# Altium PCB 28Pins_Project_V1I1_PCB.PcbDoc (continued)
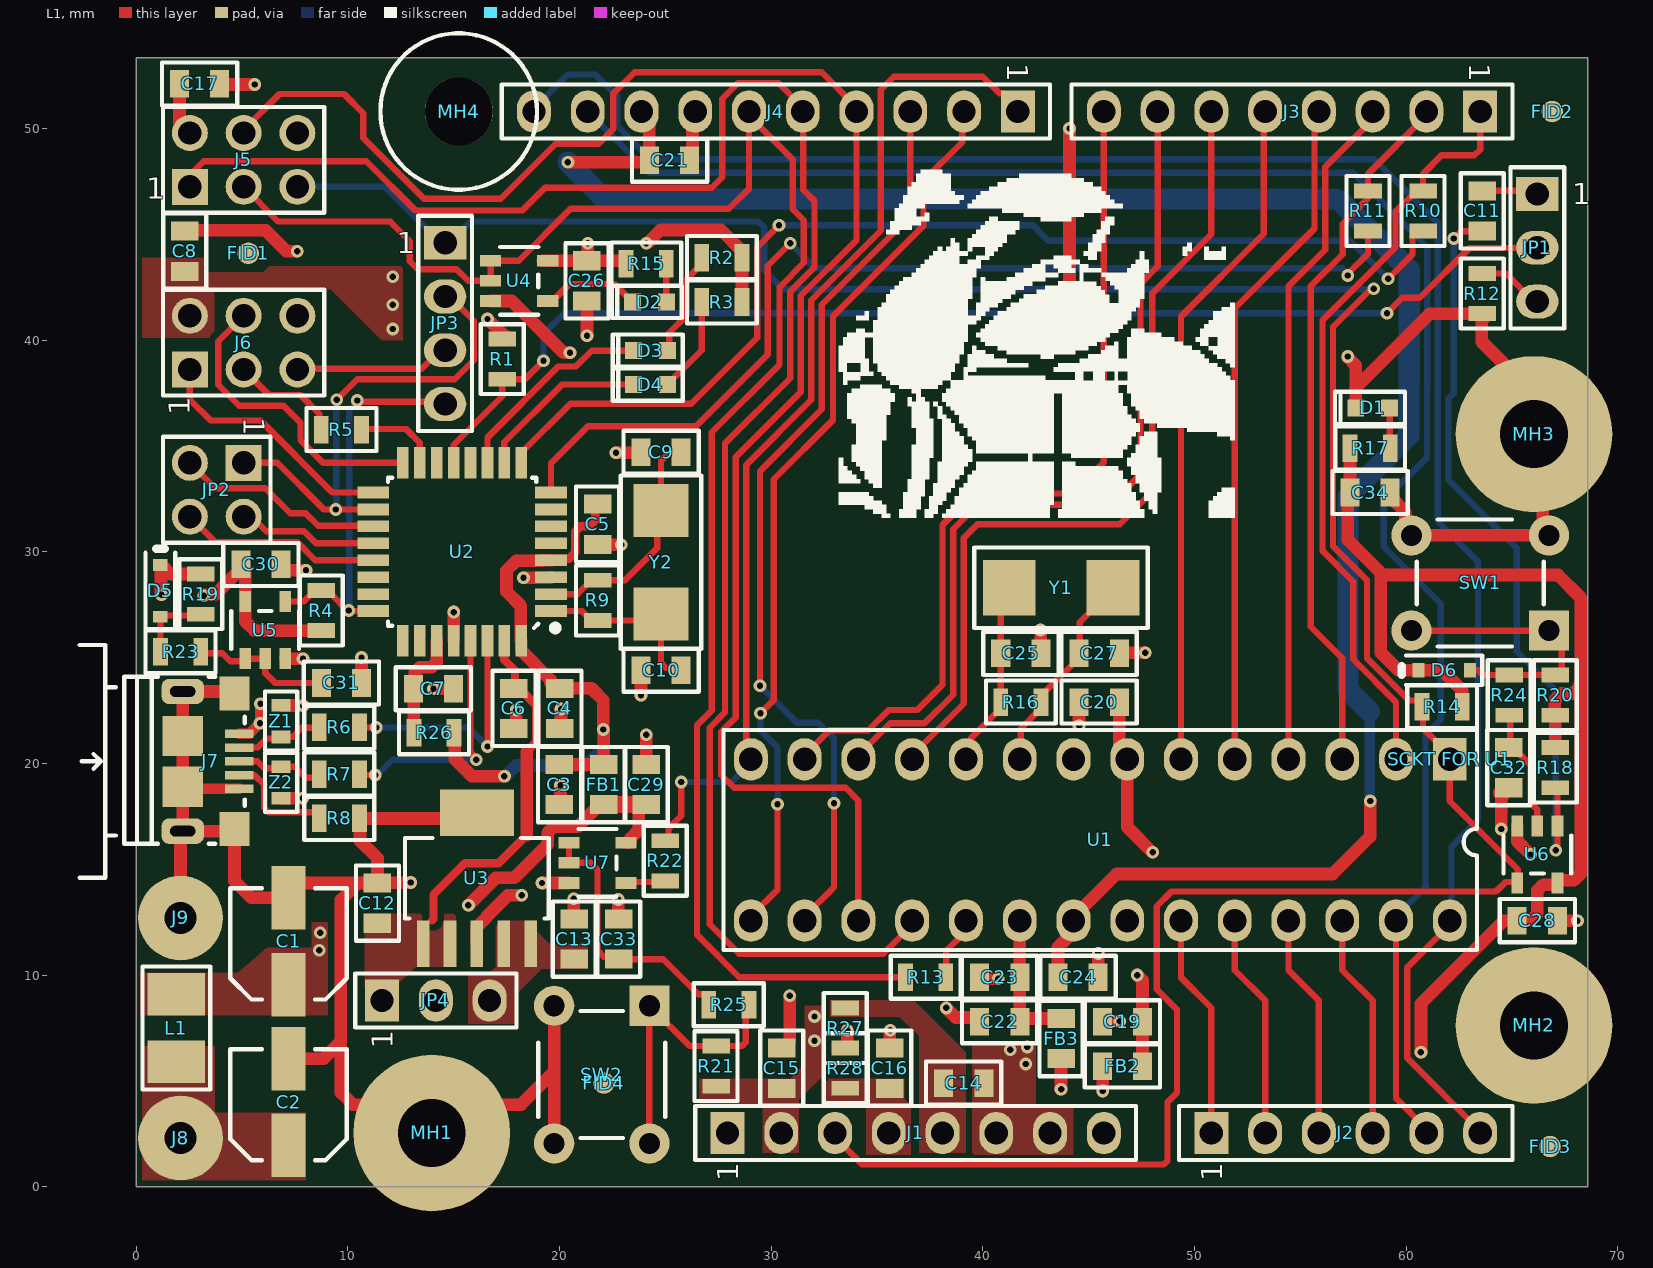
[diagram p0: L1 view]
## Part data (continued)
U2: "IC MCU 8BIT 16KB FLASH 32TQFP", Case/Package=LQFP, Frequency=16MHz, Manufacturer="Microchip / Atmel", Max Operating Temperature=85°C, Max Supply Voltage=5.5V, Min Operating Temperature=-40°C, Min Supply Voltage=2.7V, Package Quantity=2000, Supplier Part Number 1=ATMEGA16U2-AURCT-ND, ComponentLink1Description=https://datasheet.ciiva.com/9234/doc7799-9234702.pdf?src-supplier=Avnet, ComponentLink1URL=https://datasheet.ciiva.com/9234/doc7799-9234702.pdf?src-supplier=Avnet, Contact Plating=Tin,Matte, Core Architecture=AVR, Data Bus Width=8b, Interface=SPI,USB,USART, Manufacturer Part Number=ATMEGA16U2-AUR, Max Frequency=16MHz, Memory Size=16KB, Memory Type=FLASH, Mount="Surface Mount", Number of Pins=32, Number of Programmable I/O=22, Number of Timers/Counters=2, Packaging="Tape and Reel", Pricing 1="1 = 2.52000, 25 = 2.31000, 100 = 2.09000 (USD)", RAM Size=512B, RoHS=Yes, Stock 1=2145, Supplier 1=Digi-Key, Watchdog Timer=Yes
U3: "IC REG LINEAR 3.3V 1.5A SOT223-6", Case/Package=SOT-223, Dropout Voltage=340mV, Input Bias Current=1mA, Manufacturer="Texas Instruments", Max Input Voltage=20V, Max Operating Temperature=125°C, Max Output Current=1.5A, Max Output Voltage=3.3V, Min Current Limit=1.6A, Min Input Voltage=2.1V, Min Operating Temperature=-40°C, Package Quantity=1, Supplier Part Number 1=296-24534-1-ND, Accuracy=3%, ComponentLink1Description=https://datasheet.ciiva.com/2046/tl1963a-2046161.pdf?src-supplier=Digi-Key, ComponentLink1URL=https://datasheet.ciiva.com/2046/tl1963a-2046161.pdf?src-supplier=Digi-Key, ComponentLink2Description=https://datasheet.ciiva.com/2046/tl1963a-2046162.pdf?src-supplier=Digi-Key, ComponentLink2URL=https://datasheet.ciiva.com/2046/tl1963a-2046162.pdf?src-supplier=Digi-Key, ComponentLink3Description=https://datasheet.ciiva.com/2046/tl1963a-2046163.pdf?src-supplier=Digi-Key, ComponentLink3URL=https://datasheet.ciiva.com/2046/tl1963a-2046163.pdf?src-supplier=Digi-Key, ComponentLink4Description=https://datasheet.ciiva.com/26176/tl1963a-25-26176569.pdf?src-supplier=Avnet+Europe, ComponentLink4URL=https://datasheet.ciiva.com/26176/tl1963a-25-26176569.pdf?src-supplier=Avnet+Europe, Contact Plating=Gold, Lead Free="Lead Free", Manufacturer Part Number=TL1963A-33DCQR, Min Output Voltage=3.3V, Number of Outputs=1, Number of Pins=6, Number of Regulators=1, Output Current=1.5A, Output Type=Fixed, Output Voltage=3.3V, Packaging="Tape and Reel", Polarity=Positive, Pricing 1="1 = 2.80000, 10 = 2.51300, 100 = 2.05920, 500 = 1.75296, 1000 = 1.47840 (USD)", Quiescent Current=1mA, Radiation Hardening=No, RoHS=Yes, Stock 1=1618, Supplier 1=Digi-Key
U4 U5 U6 U7: "IC GATE AND 1CH 2-INP SOT23-5", Case/Package=SOT-23, Low Level Output Current=8mA, Manufacturer="Texas Instruments", Max Operating Temperature=125°C, Max Supply Voltage=5.5V, Min Operating Temperature=-55°C, Min Supply Voltage=2V, Output Current=25mA, Package Quantity=3000, Quiescent Current=1uA, Supplier Part Number 1=296-29202-1-ND, ComponentLink1Description=https://datasheet.ciiva.com/1864/sn74ahc1g09-1864410.pdf?src-supplier=Digi-Key, ComponentLink1URL=https://datasheet.ciiva.com/1864/sn74ahc1g09-1864410.pdf?src-supplier=Digi-Key, ComponentLink2Description=https://datasheet.ciiva.com/1864/sn74ahc1g09-1864411.pdf?src-supplier=Digi-Key, ComponentLink2URL=https://datasheet.ciiva.com/1864/sn74ahc1g09-1864411.pdf?src-supplier=Digi-Key, ComponentLink3Description=https://datasheet.ciiva.com/1864/sn74ahc1g09-1864412.pdf?src-supplier=Digi-Key, ComponentLink3URL=https://datasheet.ciiva.com/1864/sn74ahc1g09-1864412.pdf?src-supplier=Digi-Key, Contact Plating=Tin,Matte, Lead Free="Lead Free", Logic Function=AND, Manufacturer Part Number=SN74AHC1G09DBVR, Mount="Surface Mount", Number of Bits=1, Number of Circuits=1, Number of Elements=1, Number of Gates=1, Number of Inputs=2, Number of Outputs=1, Number of Pins=5, Output Voltage=5.5V, Packaging="Tape and Reel", Pricing 1="1 = 0.33000, 10 = 0.24700, 100 = 0.14000, 500 = 0.09270, 1000 = 0.07107 (USD)", Propagation Delay=7.5ns, Radiation Hardening=No, REACH SVHC="No SVHC", RoHS=Yes, Stock 1=17558, Supplier 1=Digi-Key
Y1 Y2: "CRYSTAL 16.0000MHZ 18PF SMD", Case/Package=CSMD, ESR (Equivalent Series Resistance)=50R, Frequency=16MHz, Frequency Stability=30ppm, Frequency Tolerance=20ppm, Load Capacitance=18pF, Manufacturer=Abracon, Max Operating Temperature=85°C, Min Operating Temperature=-40°C, Package Quantity=1000, Supplier Part Number 1=535-9840-1-ND, ComponentLink1Description=https://datasheet.ciiva.com/15116/getdatasheetpartid-721624-15116835.pdf?src-supplier=Verical, ComponentLink1URL=https://datasheet.ciiva.com/15116/getdatasheetpartid-721624-15116835.pdf?src-supplier=Verical, ComponentLink2Description=https://datasheet.ciiva.com/22658/947971-22658293.pdf?src-supplier=Element14, ComponentLink2URL=https://datasheet.ciiva.com/22658/947971-22658293.pdf?src-supplier=Element14, ComponentLink3Description=https://datasheet.ciiva.com/5788/abm7-5788054.pdf?src-supplier=Farnell, ComponentLink3URL=https://datasheet.ciiva.com/5788/abm7-5788054.pdf?src-supplier=Farnell, ComponentLink4Description=https://datasheet.ciiva.com/16383/abm7-16383174.pdf?src-supplier=Future+Electronics, ComponentLink4URL=https://datasheet.ciiva.com/16383/abm7-16383174.pdf?src-supplier=Future+Electronics, ComponentLink5Description=https://datasheet.ciiva.com/7998/947971-7998600.pdf?src-supplier=Element14, ComponentLink5URL=https://datasheet.ciiva.com/7998/947971-7998600.pdf?src-supplier=Element14, ComponentLink6Description=https://datasheet.ciiva.com/18649/abm7-18649865.pdf?src-supplier=Digi-Key, ComponentLink6URL=https://datasheet.ciiva.com/18649/abm7-18649865.pdf?src-supplier=Digi-Key, ComponentLink7Description=https://datasheet.ciiva.com/18649/abm7-18649866.pdf?src-supplier=Digi-Key, ComponentLink7URL=https://datasheet.ciiva.com/18649/abm7-18649866.pdf?src-supplier=Digi-Key, ComponentLink8Description=https://datasheet.ciiva.com/18649/abm7-18649867.pdf?src-supplier=Digi-Key, ComponentLink8URL=https://datasheet.ciiva.com/18649/abm7-18649867.pdf?src-supplier=Digi-Key, ComponentLink9Description=https://datasheet.ciiva.com/46385/947971-46385243.pdf?src-supplier=Element14, ComponentLink9URL=https://datasheet.ciiva.com/46385/947971-46385243.pdf?src-supplier=Element14, ComponentLink10Description=https://datasheet.ciiva.com/26941/getdatasheetpartid-719818-26941724.pdf?src-supplier=Verical, ComponentLink10URL=https://datasheet.ciiva.com/26941/getdatasheetpartid-719818-26941724.pdf?src-supplier=Verical, Composition=Ceramic, Depth=3.5mm, Height=0.055inch, Lead Free="Lead Free", Length=6mm, Manufacturer Part Number=ABM7-16.000MHZ-D2Y-T, Mount="Surface Mount", Number of Pins=2, Packaging="Tape and Reel", Pricing 1="1 = 0.72000, 10 = 0.63300, 50 = 0.59120, 100 = 0.52250, 500 = 0.49500 (USD)", Radiation Hardening=No, REACH SVHC=Unknown, RoHS=Yes, Stock 1=101941, Supplier 1=Digi-Key, Termination=SMD/SMT, Tolerance=20ppm, Width=3.3mm
Z1 Z2: "VARISTOR 0603", Capacitance=0.5pF, Case/Package=0603, Case Code (Metric)=1608, Clamping Voltage=20V, Current Rating=50nA, Manufacturer=Bourns, Max Operating Temperature=85°C, Max Voltage Rating (DC)=5V, Min Operating Temperature=-40°C, Package Quantity=1, Supplier Part Number 1=CG0603MLC-05ECT-ND, Voltage Rating (AC)=8V, Case Code (Imperial)=0603, ComponentLink1Description=https://datasheet.ciiva.com/27747/1163231-27747629.pdf?src-supplier=Jameco, ComponentLink1URL=https://datasheet.ciiva.com/27747/1163231-27747629.pdf?src-supplier=Jameco, ComponentLink2Description=https://datasheet.ciiva.com/30070/mlc-30070503.pdf?src-supplier=Onlinecomponents.com, ComponentLink2URL=https://datasheet.ciiva.com/30070/mlc-30070503.pdf?src-supplier=Onlinecomponents.com, ComponentLink3Description=https://datasheet.ciiva.com/6991/mlc-6991832.pdf?src-supplier=Digi-Key, ComponentLink3URL=https://datasheet.ciiva.com/6991/mlc-6991832.pdf?src-supplier=Digi-Key, ComponentLink4Description=https://datasheet.ciiva.com/6991/mlc-6991834.pdf?src-supplier=Digi-Key, ComponentLink4URL=https://datasheet.ciiva.com/6991/mlc-6991834.pdf?src-supplier=Digi-Key, ComponentLink5Description=https://datasheet.ciiva.com/6991/mlc-6991836.pdf?src-supplier=Digi-Key, ComponentLink5URL=https://datasheet.ciiva.com/6991/mlc-6991836.pdf?src-supplier=Digi-Key, ComponentLink6Description=https://datasheet.ciiva.com/1278/1785244-1278701.pdf?src-supplier=Element14, ComponentLink6URL=https://datasheet.ciiva.com/1278/1785244-1278701.pdf?src-supplier=Element14, ComponentLink7Description=https://datasheet.ciiva.com/22696/1785244-22696318.pdf?src-supplier=Element14, ComponentLink7URL=https://datasheet.ciiva.com/22696/1785244-22696318.pdf?src-supplier=Element14, ComponentLink8Description=https://datasheet.ciiva.com/25958/mlc-25958222.pdf?src-supplier=Avnet+Europe, ComponentLink8URL=https://datasheet.ciiva.com/25958/mlc-25958222.pdf?src-supplier=Avnet+Europe, ComponentLink9Description=https://datasheet.ciiva.com/8084/mlc-8084047.pdf?src-supplier=Avnet, ComponentLink9URL=https://datasheet.ciiva.com/8084/mlc-8084047.pdf?src-supplier=Avnet, Contact Plating=Tin, Depth=0.8mm, Element Configuration=Single, Leakage Current=50nA, Length=1.6mm, Manufacturer Part Number=CG0603MLC-05E, Number of Channels=1, Number of Circuits=1, Number of Pins=2, Operating Supply Voltage=5V, Packaging="Tape and Reel", Pricing 1="1 = 0.51000, 10 = 0.35900, 25 = 0.29440, 100 = 0.23570, 250 = 0.17140, 500 = 0.13926, 1000 = 0.10712, 2500 = 0.09641 (USD)", Radiation Hardening=No, REACH SVHC="No SVHC", RoHS=Yes, Stock 1=125174, Supplier 1=Digi-Key, Termination=SMD/SMT, Thickness=0.8mm, Turn-On Delay Time=1ns, Voltage=5V, Voltage Rating (DC)=5V, Width=0.8mm, Working Voltage=5V

## Via types
v1: diameter 0.6, hole 0.3, L1 to L2, tented both sides, 89 vias

## Nets (pads, with @x,y where several pads share a name; then routed paths per layer and width w, separated by ;. In a path a pad name is that pad's centre, name@x,y a point inside that pad or via, vN(x,y) a via of type N, cw(c..) or ccw(c..) an arc to the next point about the centre after c; other vN are vias at no path point)
16U2_16MHZ_XTAL1: C10.2 R9.1 U2.1 Y2.1 | length 8.9
  L1 w0.3: U2.1 21.05,27.2 21.5,26.75 R9.1 24.5,26.75 Y2.1 24.8,24.75 25.025,24.525 25.625,24.525 C10.2
16U2_16MHZ_XTAL2: C9.2 R9.2 U2.2 Y2.2 | length 11.2
  L1 w0.3: U2.2 20.85,28 21.5,28.65 R9.2 23.1,28.65 24.625,30.175 24.625,31.775 Y2.2 24.8,34.3 25.1,34.6 25.65,34.6 C9.2
16U2_BUF_RESETn: C31.2 R23.2 U5.1 U5.2 | length 6.8
  L1 w0.3: R23.2 3.125,25.2 4.075,25.2 4.45,24.825 5.025,24.825 U5.1 U5.2 6.1,24.275 6.575,23.8 C31.2
16U2_HDR_RESETn: J6.5 JP3.3 | length 7.4
  L1 w0.3: J6.5 7.662,38.65 13.502,38.65 14.372,39.52 JP3.3
16U2_MISO: J6.1 U2.17 | length 11.9
  L1 w0.3: J6.1 2.54,37.185 3.525,36.2 5.875,36.2 9.275,32.8 U2.17
16U2_MOSI: J6.4 U2.16 | length 14.5
  L1 w0.3: J6.4 3.88,39.948 3.88,37.895 4.875,36.9 6.966,36.9 7.766,36.1 7.766,35.264 8.83,34.2 U2.16
16U2_PB4: JP2.1 JP3.2 U2.18 | length 23.2
  L1 w0.3: JP2.1 6.675,34.2 8.875,32 U2.18 ; v1(9.475,37.175) 10.45,38.15 15.056,38.15 15.95,39.044 15.95,40.91 14.8,42.06 JP3.2
  L2 w0.3: v1(9.425,32) 9.45,32.025 9.45,37.15 v1(9.475,37.175)
16U2_PB5: JP2.3 U2.19 | length 9.9
  L1 w0.3: JP2.3 3.74,33 6.1,33 7.275,31.825 8,31.825 8.6,31.225 11.175,31.225 U2.19
16U2_PB6: JP2.2 U2.20 | length 6.6
  L1 w0.3: JP2.2 5.459,31.66 6.153,30.966 7.934,30.966 8.5,30.4 U2.20
16U2_PB7: JP2.4 U2.21 | length 9.5
  L1 w0.3: JP2.4 3.74,30.46 7.609,30.46 8.469,29.6 U2.21
16U2_RESETn: JP3.4 R4.1 U2.24 U5.4 | length 19
  L1 w0.3: U5.4 7.925,27.65 8.45,28.175 R4.1 9.05,28.175 9.674,27.551 9.674,27.526 v1@10,27.2 ; v1@10.05,27.2 U2.24 ; v1(10.45,37.15) 10.507,37.093 14.487,37.093 JP3.4
  L2 w0.3: v1(10.05,27.225) 10.075,27.25 10.075,36.694 10.45,37.069 v1(10.45,37.15)
16U2_RXD: R11.1 U2.8 | length 49.4
  L1 w0.3: U2.8 19.6,34.175 21.35,35.925 26.45,35.925 29.843,39.318 29.843,43.518 v1(30.9,44.575) ; v1(57.25,43.05) 57.25,43.131 58.2,44.081 58.2,44.85 57.9,45.15 R11.1
  L2 w0.3: v1(30.9,44.575) 32.075,43.4 56.985,43.4 56.985,43.396 57.25,43.131 v1(57.25,43.05)
16U2_RXLED: D4.1 U2.10 | length 8.2
  L1 w0.3: U2.10 17.4,35.175 20.125,37.9 D4.1
16U2_SCLK: J6.3 R5.2 | length 5.2
  L1 w0.3: J6.3 6.28,37.408 7.766,37.408 8.65,36.524 8.65,35.875 R5.2
16U2_SCLK_R: R5.1 U2.15 | length 4
  L1 w0.3: R5.1 10.675,35.8 12.75,35.8 13.4,35.15 U2.15
16U2_TXD: R10.1 U2.9 | length 52.5
  L1 w0.3: U2.9 18.2,34.675 20.525,37 26.225,37 29.343,40.118 29.343,44.393 v1(30.375,45.425) ; v1(59.149,42.9) 60.3,44.051 60.3,44.95 60.5,45.15 R10.1
  L2 w0.3: v1(30.375,45.425) 42.375,45.425 43.1,44.7 57.349,44.7 v1(59.149,42.9)
16U2_TXLED: D3.1 U2.11 | length 9.8
  L1 w0.3: U2.11 16.6,35.4 19.95,38.75 20.769,38.75 21.519,39.5 D3.1
16U2PROG_328P_RESETn: JP1.2 R1.2 U2.13 | length 57.1
  L1 w0.3: U2.13 15,35.05 17.3,37.35 R1.2 18.375,38.15 v1(19.25,39.025) ; v1(59.1,41.275) 59.825,42 60.644,42 62.994,44.35 66.19,44.35 JP1.2
  L2 w0.3: v1(19.25,39.025) 19.25,40.3 20.225,41.275 v1(59.1,41.275)
328P_16MHZ_XTAL1: C27.2 R16.1 U1.9 Y1.1 | length 11.5
  L1 w0.3: U1.9 41.793,20.241 41.793,21.643 42.75,22.6 R16.1 42.75,23.2 44.55,25 C27.2 44.55,25.4 44.575,25.425 44.575,26.675 46.15,28.25 Y1.1 Y1.1@45.05,27.2
328P_16MHZ_XTAL2: C25.2 R16.2 U1.10 Y1.2 | length 9
  L1 w0.3: U1.10 39.454,20.442 39.454,21.204 40.85,22.6 R16.2 C25.2 40.85,27.9 Y1.2
328P_AUTORESETn: C11.1 R18.1 U6.1 | length 35.7
  L1 w0.3: v1(62.25,44.8) 62.6,45.15 C11.1 ; v1(67.075,15.9) 67.15,15.975 67.15,18.7 R18.1@67.3,18.85
  L2 w0.3: v1(62.25,44.8) 62.25,37.498 61.99,37.238 61.99,33.41 65.225,30.175 65.225,25.3 67.075,23.45 v1(67.075,15.9)
328P_BUF_RESETn: C32.2 R24.2 U6.2 | length 6.3
  L1 w0.3: C32.2 65.05,20.75 65.875,19.925 65.875,18.15 66.2,17.825 U6.2 ; R24.2@65.125,22.275 64.925,22.075 64.925,20.925 65.1,20.75 C32.2@65.3,20.75
328P_RESETn: J1.3 J5.5 JP3.1 R14.1 U1.1 U6.4 | length 134.4
  L1 w0.3: J1.3 33.02,2.34 34.31,1.05 48.549,1.05 48.725,1.226 48.725,4 49.175,4.45 49.175,8.37 48.215,9.33 48.215,13.249 48.916,13.95 64.25,13.95 64.7,14.4 65.275,14.4 65.275,15 62.065,18.21 U1.1 62.065,20.393 60.8,21.658 60.8,22.625 R14.1 60.75,22.975 60.147,22.975 58.15,24.972 58.15,28.647 56.55,30.247 56.55,40.625 58.35,42.425 v1(58.475,42.425)
  L2 w0.3: J5.5 11.756,47.244 14.4,44.6 JP3.1 14.8,44.6 15.8,45.6 29.4,45.6 29.675,45.325 29.675,43.305 30.58,42.4 58.45,42.4 v1(58.475,42.425)
+3V3: C13.2 C16.2 J1.4 JP4.3 R28.2 U3.4 U3.5
+3V3_16U2_UCAP: C7.2 R26.1 U2.27 | length 5.1
  L1 w0.6: R26.1 13.113,21.463 13.113,23.512 C7.2 13.175,23.6 13.175,24.316 13.409,24.55 13.96,24.55 14.2,24.79 U2.27
+5V: C2.1 C6.2 C12.2 C14.2 J1.5 J8.1 JP4.1 L1.2 R27.1 U2.31 U3.1 U3.2 | length 17.2
  L1 w0.4: 14,12.6 14.05,12.65 14.05,13.8 15.543,15.293 17.133,15.293 18.458,16.617 ; U2.31 17.4,24.895 17.9,24.395 17.9,23.55 18.1,23.55 18.9,22.75 18.9,21 18.458,20.558
  L1 w0.6: JP4.1@11.4,9.02 JP4.1 ; 18.458,16.617 18.458,20.558
+5V/3V3: C8.2 C15.2 C17.2 C26.2 C28.2 C29.2 C30.2 C34.2 D5.1 D6.1 FB1.1 FB2.1 FB3.1 J1.2 J5.2 J6.2 JP4.2 R1.1 R2.1 R3.1 R4.2 R14.2 R15.1 R17.2 R18.2 R19.2 R20.2 R21.2 R27.2 R28.1 U4.5 U5.5 U6.5 U7.5 | length 101.5
  L1 w0.6: v1(1.2,27.975) 1.175,28 1.175,29.344 D5.1 1.214,29.369 1.633,28.95 R19.2 ; C17.2 2.05,50.274 J5.2 ; v1(3.194,27.925) 3.232,27.963 3.713,27.963 4.95,29.2 C30.2 5.15,29.2 U5.5 5.15,26.717 5.592,26.275 R4.2 ; v1(15.7,13.3) 16.993,14.593 17.868,14.593 19.45,16.175 19.45,16.732 19.743,17.025 20.875,17.025 21.9,18.05 FB1.1 ; v1(16.6,41) 17.236,40.364 17.236,40.114 R1.1 R1.1@17.45,40.2 ; U4.5@19.225,43.75 U4.5 21.2,43.75 C26.2@21.25,43.8 ; v1(21.336,44.575) 21.336,43.986 21.2,43.85 C26.2@21.25,43.8 ; U7.5 23.325,16.25 23.35,16.275 23.35,16.45 23.75,16.85 23.75,17.9 23.9,18.05 C29.2 ; R15.1 23,43.75 C26.2 C26.2@21.25,43.8 ; v1(24.1,44.575) 24.154,44.575 24.779,45.2 27.625,45.2 28.625,44.2 R2.1 R3.1 ; v1(33.6,7.4) 33.6,6.65 R27.2 R27.2@33.8,6.55 ; v1(43.7,4.6) FB3.1 ; FB2.1 45.675,5.675 v1(45.675,4.525) ; R17.2 C34.2 57.25,32.7 57.25,30.55 58.9,28.9 ; v1(60.7,6.35) 60.7,8.65 64.623,12.573 C28.2 65.252,12.575 65.875,12.575 66.2,12.9 66.2,14 66.475,14.275 67.075,14.275 U6.5 67.15,14.4 67.225,14.475 67.925,14.475 68.25,14.8 68.25,23.809 ; R14.2 62.65,23.45 62.543,23.557 62.533,23.557 61.69,24.4 D6.1 59.641,24.4 58.8,25.241 58.8,28.8 58.9,28.9 ; R18.2@67.05,20.725 R20.2@67.05,22.25 ; R20.2 67.025,22.3 67.025,23 67.325,23.3 67.882,23.3 68.2,23.618 68.2,23.759 68.25,23.809 ; 58.9,28.9 67.175,28.9 68.25,27.825 68.25,23.809
  L1 w0.8: FB1.1 C29.2
  other v1: 32.05,6.9 32.05,8.041 12.125,40.525 12.125,41.675 12.125,43
+5V/3V3_16U2: C3.2 C4.2 C5.2 FB1.2 R26.2 U2.4 U2.32 | length 30.4
  L1 w0.4: U2.4@19.675,29.675 20.466,29.675 20.75,29.959 20.75,30.966 20.984,31.2 21.425,31.2 21.7,31.475 C5.2@21.7,32.15
  L1 w0.6: R26.2 15.06,21.415 15.06,20.2 15.86,19.4 v1(17.4,19.4) ; U2.4 19.175,29.6 19.15,29.575 17.969,29.575 17.5,29.106 17.5,28.125 18.175,27.45 18.175,25.825 U2.32 18.2,25.325 19.575,23.95 19.575,23.8 19.825,23.55 C4.2 21.5,23.55 22.075,22.975 v1@22.075,21.8 ; C3.2 FB1.2 v1@22.1,21.6 ; C5.2@21.7,32.15 C5.2
  L2 w0.6: v1(17.4,19.4) 17.454,19.4 17.954,19.9 21.25,19.9 22.075,20.725 v1(22.075,21.6)
+5V/3V3_328P_AVCC: C22.2 C23.2 FB3.2 U1.20 | length 6.8
  L1 w0.6: U1.20 41.748,12.57 41.748,9.903 C23.2 C22.2 41.9,7.95 FB3.2
+5V/3V3_328P_VCC: C19.2 C20.2 FB2.2 U1.7 | length 12.2
  L1 w0.6: C20.2 46.45,20.568 U1.7 46.825,17 v1(48.025,15.8) ; v1(47.3,10) 47.55,9.75 C19.2 FB2.2
+5V_USB: C1.1 J7.1 L1.1 | length 2.1
  L1 w0.5: J7.1 5.35,21.4 v1(5.85,21.9) 5.863,21.913 5.863,22.812 v1(5.875,22.825)
  other v1: 8.65,11.176 8.7,12
+AREF: C21.2 C24.2 J4.8 U1.21 | length 95.4
  L1 w0.6: v1(20.4,48.4) 24.15,48.4 C21.2 24.25,50.426 J4.8 ; C24.2 43.55,11.313 44.285,12.048 U1.21 44.285,12.745 46.315,14.775 56.525,14.775 58.3,16.55 v1(58.3,18.225)
  L2 w0.4: 60.2,35.175 60.2,35.5
  L2 w0.5: 58.275,22.45 58.275,19.475 58.276,19.474 58.276,18.249 v1(58.3,18.225)
  L2 w1: v1(20.4,48.4) 22.136,46.664 56.679,46.664 ; 56.89,46.575 60.149,43.316 60.149,38.013 60.14,38.004 60.14,35.5 57.25,32.61 57.25,23.475 58.275,22.45
AD0: J2.1 U1.23 | length 10.6
  L1 w0.3: U1.23 49.365,9.885 50.8,8.45 J2.1
AD1: J2.2 U1.24 | length 10.6
  L1 w0.3: U1.24 51.905,10.235 53.34,8.8 J2.2
AD2: J2.3 U1.25 | length 10.6
  L1 w0.3: U1.25 54.445,10.235 55.88,8.8 J2.3
AD3: J2.4 U1.26 | length 10.6
  L1 w0.3: U1.26 56.985,10.235 58.42,8.8 J2.4
"AD4 / SDA": J2.5 J4.9 U1.27 | length 87.6
  L1 w0.3: U1.27 59.525,4.175 60.96,2.74 J2.5
  L2 w0.3: J4.9 21.343,50.8 24.243,47.9 57.491,47.9 60.999,44.392 60.999,37.661 60.99,37.652 60.99,34.448 58.95,32.408 58.95,30.237 61.643,27.543 61.643,22.066 60.915,21.338 60.915,14.237 60.952,14.2 59.525,12.773 U1.27
"AD5 / SCL": J2.6 J4.10 U1.28 | length 93.9
  L1 w0.3: U1.28 62.065,12.373 60.05,10.358 60.05,6.081 63.5,2.631 J2.6
  L2 w0.3: J4.10 18.796,50.946 20.4,52.55 21.7,52.55 22.726,51.524 22.726,50.124 24.3,48.549 58.501,48.549 61.499,45.551 61.499,37.454 61.49,37.445 61.49,31.435 63.4,29.525 63.4,17.319 62.143,16.062 62.143,12.651 U1.28
BUTTON_RESETn: D6.2 R20.1 R24.1 SW1.1 SW1.2 | length 13.1
  L1 w0.3: SW1.2@60.85,26.275 SW1.1 67.35,26.275 67.35,24.225 67.3,24.175 R20.1 R24.1 63.625,24.175 63.4,24.4 D6.2 ; R24.1@65.025,24.325 R24.1@65.1,24.25
CON_USB_N: J7.2 R6.1 Z1.2 | length 4.7
  L1 w0.3: J7.2 5.75,20.75 6.175,21.175 6.775,21.175 Z1.2 7.399,21.25 7.575,21.426 7.575,21.443 7.825,21.693 8.643,21.693 R6.1 8.65,21.45 R6.1@8.45,21.25
CON_USB_P: J7.3 R7.1 Z2.2 | length 4.2
  L1 w0.3: J7.3 5.725,20.1 6.05,19.775 6.775,19.775 Z2.2 7.5,19.85 8.025,19.325 8.475,19.325 R7.1
GND: C1.2 C2.2 C3.1 C4.1 C5.1 C6.1 C7.1 C8.1 C9.1 C10.1 C12.1 C13.1 C14.1 C15.1 C16.1 C17.1 C19.1 C20.1 C21.1 C22.1 C23.1 C24.1 C25.1 C26.1 C27.1 C28.1 C29.1 C30.1 C31.1 C32.1 C33.1 C34.1 D1.1 J1.6 J1.7 J4.7 J5.6 J6.6 J7.5 J7.6 J7.7 J7.8 J7.9 J7.10 J7.11 J9.1 MH1.1 MH2.1 MH3.1 R8.2 R12.1 SW1.3 SW1.4 SW2.3 SW2.4 U1.8 U1.22 U2.3 U2.28 U3.3 U3.6 U4.3 U5.3 U6.3 U7.3 Z1.1 Z2.1 | length 168.5
  L1 w0.5: J7.11@2.3,18.8 J7.5
  L1 w0.6: J9.1 2.1,16.7 J7.9 ; J7.11@2.3,18.8 J7.11 ; C8.1 2.338,45.187 6.113,45.187 7.1,44.2 v1(7.62,44.2) ; C17.1 3.975,52.075 v1(5.6,52.075) ; J7.6 4.549,23.4 J7.8 J7.10 J7.11 ; Z2.1 v1(7.875,18.35) ; Z1.1 6.862,22.738 7.887,22.738 v1(7.9,22.725) ; C30.1 6.85,29.375 7.1,29.125 v1(8.025,29.125) ; U5.3 v1(7.887,24.95) ; C2.2 8.85,6.05 9.674,6.874 ; C31.1 v1(10.65,25) ; v1(12.975,14.375) 12.963,14.363 11.413,14.363 C12.1 ; v1(14.05,23.525) C7.1 ; U2.28 v1(15,27.15) ; U3.3 16.1,12.275 16.57,12.745 16.57,12.782 17.563,13.775 v1(18.225,13.775) ; U3.6 15.825,17.4 R8.2 10.575,17.375 10.575,16.35 11.4,15.525 C12.1 ; U4.3 17.75,41.85 20.2,39.4 v1(20.5,39.4) ; C6.1@17.775,21.575 C6.1 17.954,21.754 v1(17.954,22.525) ; v1(18.3,28.775) 19.575,28.775 U2.3 ; v1(19.175,14.35) U7.3 ; SW2.4 19.75,5.45 ; SW2.3 19.75,5.45 ; C3.1 20.05,18.1 v1(20.05,18.975) ; C4.1 20.075,21.7 v1(20.075,22.575) ; v1(20.675,13.6) 20.675,12.675 C13.1 ; v1(21.3,40.2) C26.1 ; C5.1 21.813,30.338 22.912,30.338 v1(22.925,30.325) ; v1(22.675,34.675) 23.825,34.675 C9.1 ; v1(22.775,13.575) 22.775,12.675 C33.1 ; v1(23.85,23.225) C10.1 ; C29.1 v1(24.1,21.35) ; C21.1 26.283,48.633 26.283,50.667 J4.7 ; C15.1 30.625,6.55 30.875,6.8 v1(30.875,9.02) ; C16.1 35.4,6.55 35.6,6.75 35.6,7.368 v1(35.632,7.4) ; v1(38.275,8.45) 38.725,8 39.65,8 C22.1 ; C23.1 39.925,9.825 v1(40.725,9.825) ; v1(42.725,26.3) 42.737,26.288 42.737,25.212 C25.1 ; v1(44.1,40.1) v1(44.1,50) ; U1.8 U1.8@44.418,20.326 ; v1(44.55,21.775) C20.1 ; C24.1 v1(45.45,11.025) ; C19.1 45.675,7.825 v1(46.475,7.825) ; C27.1 46.475,25.225 v1(47.675,25.225) ; v1(57.25,39.225) 57.25,39.171 57.62,38.801 D1.1 ; 57.675,37.8 61.125,41.25 R12.1 63.9,41.25 63.575,40.925 63.575,39.919 66.04,37.454 MH3.1 66.463,35.137 66.463,31.062 SW1.3 SW1.4 59.963,31.062 59.963,31.887 59.25,32.6 C34.1 ; v1(64.5,16.9) 64.5,18.357 64.572,18.428 64.4,18.6 64.65,18.85 C32.1 ; U6.3 65.25,16.325 v1(65.875,15.7) ; C28.1 v1(68.1,12.573) ; J7.9 4.55,16.8 J7.7 4.65,14.45 5.45,13.65 C1.2 7.2,13.75 7.8,14.35 10.475,14.35 ; J7.9 J7.11 ; 9.674,6.874 9.674,4.451 10.246,3.879 12.631,3.879 MH1.1 15.309,3.879 18.179,3.879 19.75,5.45 ; 9.674,6.874 9.674,13.549 10.475,14.35 ; 10.475,14.35 C12.1
  other v1: 42.032,5.8 41.3,6.479 42.108,6.6
IO0: J3.1 R10.2 U1.2 | length 36.2
  L1 w0.3: U1.2 59.525,22.89 57.5,24.915 57.5,28.59 56.05,30.04 56.05,40.931 59.5,44.381 59.5,46.05 60.5,47.05 R10.2 60.8,47.85 61.675,48.725 63.225,48.725 63.5,49 J3.1
IO1: J3.2 R11.2 U1.3 | length 33.5
  L1 w0.3: U1.3 56.985,24.965 55.5,26.45 55.5,42.557 57,44.057 57,45.5 58.2,46.7 R11.2 58.2,47.85 60.96,50.61 J3.2
IO2: J3.3 U1.4 | length 32.3
  L1 w0.3: U1.4 54.445,42.545 56.175,44.275 56.175,48.175 58.42,50.42 J3.3
IO3: J3.4 U1.5 | length 32.3
  L1 w0.3: U1.5 51.905,41.505 55.675,45.275 55.675,50.595 J3.4
IO4: J3.5 U1.6 | length 32.5
  L1 w0.3: U1.6 49.365,41.115 53.275,45.025 53.275,50.735 J3.5 J3.5@53.34,50.6
IO5: J3.6 U1.11 | length 40.4
  L1 w0.3: U1.11 36.665,20.393 39.1,22.828 39.1,30.649 39.751,31.3 46.465,31.3 48,32.835 48,42.2 50.8,45 J3.6
IO6: J3.7 U1.12 | length 41.1
  L1 w0.3: U1.12 34.125,20.393 35.632,21.9 37.25,21.9 38.6,23.25 38.6,31.057 39.768,32.225 46.025,32.225 47.45,33.65 47.45,42.675 48.26,43.485 J3.7
IO7: J3.8 U1.13 | length 41.1
  L1 w0.3: U1.13 31.585,20.393 32.758,21.566 34.592,21.566 35.55,22.525 36.9,22.525 38.1,23.725 38.1,31.264 39.586,32.75 44.25,32.75 45.72,34.22 J3.8
IO8: J4.1 R22.2 U1.14 | length 48.8
  L1 w0.3: R22.2 25.15,16.5 25.15,16.925 25.75,17.525 v1(25.75,19.125) ; U1.14 28.825,20.413 28.825,34.1 31.9,37.175 31.9,41.882 35.186,45.168 35.186,51.835 35.801,52.45 40.006,52.45 40.806,51.65 41.006,51.65 41.656,51 J4.1
  L2 w0.3: v1(25.75,19.125) 28.145,19.125 29.045,20.025 U1.14
IO9: J4.2 U1.15 | length 43.1
  L1 w0.3: U1.15 29.045,12.773 30.3,14.028 v1(30.3,18.075) ; v1(29.5,22.375) 30.125,23 30.125,33.425 32.925,36.225 32.925,41.125 37.2,45.4 37.2,47.525 39.025,49.35 39.025,50.709 J4.2
  L2 w0.3: v1(29.5,22.375) 29.5,21.564 30.3,20.764 v1(30.3,18.075)
MISO: J4.5 J5.1 U1.18 | length 87.7
  L1 w0.3: J5.1 2.54,47.79 3.194,48.444 10.881,48.444 13.2,46.125 18.246,46.125 19.321,47.2 27.2,47.2 27.7,47.7 27.7,51.4 28.45,52.15 30.346,52.15 31.496,51 J4.5 31.525,50.771 31.525,47.095 32.05,46.57 32.05,43.446 30.9,42.296 30.9,38.2 27.825,35.125 27.825,22.418 27.1,21.693 27.1,12.4 28.5,11 35.292,11 36.665,12.373 U1.18
MOSI: J4.4 J5.4 U1.17 | length 83.5
  L1 w0.3: J5.4 5.08,49.93 6.775,51.625 9.825,51.625 10.725,50.725 10.725,49.55 13.6,46.675 17.225,46.675 19.825,49.275 21.85,49.275 22.55,49.975 22.55,51.65 23.55,52.65 32.386,52.65 34.036,51 J4.4 34.036,44.725 31.4,42.089 31.4,37.55 28.325,34.475 28.325,22.168 27.65,21.493 27.65,19.45 28.257,18.843 33.532,18.843 34.125,18.25 U1.17
NetC11_2: C11.2 JP1.1 | length 2.7
  L1 w0.3: C11.2 66.05,47.05 JP1.1
NetD1_2: D1.2 R17.1 | length 1.9
  L1 w0.3: D1.2 59.235,36.785 59.235,34.915 R17.1
NetD2_1: D2.1 U4.4 | length 4.7
  L1 w0.3: U4.4 19.675,41.85 20.475,42.65 22.6,42.65 D2.1
NetD2_2: D2.2 R15.2 | length 1.8
  L1 w0.3: D2.2 R15.2
NetD3_2: D3.2 R2.2 | length 5.1
  L1 w0.3: D3.2 25.188,39.588 25.188,40.35 26.025,41.188 26.025,42.9 26.725,43.6 R2.2
NetD4_2: D4.2 R3.2 | length 4.6
  L1 w0.3: D4.2 26.725,39.525 R3.2
NetD5_2: D5.2 R19.1 R23.1 | length 3.6
  L1 w0.3: R23.1 D5.2 1.21,26.99 2.99,26.99 R19.1
NetJ7_4: J7.4 R8.1 | length 5.3
  L1 w0.3: J7.4 5.594,19.45 6.05,18.994 6.05,17.905 6.255,17.7 8.45,17.7 8.65,17.5 R8.1
NetJP1_3: JP1.3 R12.2 | length 3.2
  L1 w0.3: R12.2 64.7,43.15 66.03,41.82 JP1.3
NetR22_1: R22.1 U7.4 | length 1.9
  L1 w0.3: U7.4 23.2,14.4 24.95,14.4 R22.1
SCK: J4.6 J5.3 R13.2 U4.1 U4.2 | length 84.8
  L1 w0.3: J5.3 6.724,45.6 12,45.6 12.925,44.675 12.925,43.725 13.301,43.349 15.137,43.349 15.686,42.8 U4.2 U4.1 18.075,43.75 20.525,46.2 28,46.2 28.956,47.156 J4.6@28.956,50.6 ; J4.6 J4.6@28.956,50.6 ; R13.2 28.5,9.9 26.5,11.9 26.5,21.8 27.2,22.5 27.2,35.65 30.4,38.85 30.4,42.503 31.55,43.653 31.55,45.658 31.025,46.183 31.025,48.531 J4.6@28.956,50.6
SCK_R: R13.1 U1.19 | length 3.1
  L1 w0.3: R13.1 38.275,9.925 38.275,11.15 39.205,12.08 U1.19
SS: J4.3 U1.16 | length 43.8
  L1 w0.3: v1(29.475,23.675) 29.475,33.8 32.4,36.725 32.4,41.675 36.576,45.851 J4.3 ; U1.16 31.585,12.773 32.975,14.163 v1(32.975,18.125)
  L2 w0.3: v1(29.475,23.675) 31.225,21.925 32.225,21.925 32.975,21.175 v1(32.975,18.125)
USB_N: R6.2 U2.30 | length 11.4
  L1 w0.3: R6.2 v1(11.35,21.7) ; v1(16.6,20.8) U2.30
  L2 w0.3: v1(11.35,21.7) 15.7,21.7 v1(16.6,20.8)
USB_P: R7.2 U2.29 | length 11.6
  L1 w0.3: R7.2@10.5,19.45 v1(11.3,19.45) ; U2.29 15.8,20.531 16.075,20.256 v1(16.075,20.175)
  L2 w0.3: v1(11.3,19.45) 11.381,19.45 12.106,20.175 v1(16.075,20.175)
USER_BUTTON: R21.1 R25.1 SW2.1 SW2.2 | length 13.7
  L1 w0.3: SW2.2 SW2.1 26.15,6.65 R21.1 28.624,6.65 28.8,6.826 28.8,8.45 R25.1
USER_BUTTON_BUF: C33.2 R25.2 U7.1 U7.2 | length 12.7
  L1 w0.3: U7.1 U7.2 21.475,15.3 21.8,14.975 21.8,11.176 22.101,10.875 22.675,10.875 C33.2 24.9,10.75 26.55,9.1 26.85,9.1 27.05,8.9 R25.2
pads on no net: FID1.1 FID2.1 FID3.1 FID4.1 J1.1 J1.8 MH4.1 U2.5 U2.6 U2.7 U2.12 U2.14 U2.22 U2.23 U2.25 U2.26

## Polygon pours and split planes (outlines as drawn)
GND on L2 "L2-GND" (solid, remove dead copper, pour order 8): 5.1,23.7 6.8,23.7 6.8,17.6 6.9,17.7 9.7,17.7 9.7,14.1 17.7,14.1 17.7,13.3 24.7,13.3 29.455,8.545 33.455,8.545 34.9,7.1 40.6,7.1 40.6,6.6 41.8,5.4 44.688,5.4 46.487,7.2 62.079,7.2 62.8,6.479 62.8,0.3 68.3,0.3 68.3,13.9 66.6,13.9 66.3,14.2 66.3,17.5 63.375,17.5 63.375,11.1 58.475,11.1 58.475,16.5 55.88,16.5 55.88,33.08 58.133,35.333 58.133,40.592 56.483,40.592 31.328,40.592 25.918,40.592 22.1,40.592 19.891,40.592 19.891,37.9 11.2,37.9 11.2,53 0.3,53 0.3,51.5 5.1,51.5
+5V/3V3_328P_VCC on L2 "+5V/3V3_328P_VCC_L02_P000" (solid, remove dead copper, pour order 0): 47.709,16.2 47.7,16.191 47.7,10.688 46.6,10.688 46.6,9.4 50.7,9.4 50.7,16.2
+5V/3V3 on L2 "+5V/3V3_L02_P004" (solid, remove dead copper, pour order 4): 0.3,4.8 6.9,4.8 10.5,8.4 10.5,10.1 12.8,10.1 12.9,10 12.9,7.5 15.1,7.5 15.2,7.6 15.2,10.4 17.8,10.4 19.1,11.7 22.075,11.7 22.075,11.575 23.95,9.7 25.4,9.7 25.4,7.289 26.189,6.5 32.9,6.5 34.3,5.1 38.5,5.1 39.5,4.1 39.5,0.3 61.8,0.3 62.4,0.9 62.4,5.7 61.2,6.9 46.6,6.9 44.7,5 41.6,5 40.244,6.356 35.294,6.356 33.2,8.45 33.15,8.4 28.85,8.4 24.25,13 17.4,13 17.4,13.407 17.032,13.775 11.775,13.775 9.6,13.775 9.6,10.5 7.2,10.5 7.2,13.6 4.8,16 4.8,51.2 0.3,51.2
GND on L2 "L2-GND 2" (solid, remove dead copper, pour order 7): 0.3,51.5
GND on L2 "GND_L02_P006" (solid, remove dead copper, pour order 6): 68.3,53 68.3,48.4 26.9,48.4 25.2,50.1 25.2,53
+5V/3V3 on L2 "L2-+5V/3V3" (solid, remove dead copper, pour order 5): 16.501,45.3 16.5,43.5 11.6,43.5 11.6,38.2 16.496,38.2 16.497,39.397 20.5,43.4 22.3,43.4 22.3,42.3 25.6,42.3 25.6,45.3 19.75,45.3
+5V_USB on L2 "L2-+5V_USB" (solid, remove dead copper, pour order 3): 9.4,10.8 9.4,17.3 6.5,17.3 6.5,23.4 5.3,23.4 5.3,16.4 8,13.7 8,10.8
+3V3 on L2 "L2-+3V3" (solid, remove dead copper, pour order 2): 15.7,7.7 15.7,10.1 17.9,10.1 19.2,11.4 21.6,11.4 21.7,11.3 22.675,10 22.675,5.7 33.2,5.7 34,4.9 36.6,4.9 36.6,1.231 34.5,1.231 34.5,3.9 22.1,3.9 18.3,7.7
+5V on L2 "L2-+5V" (solid, remove dead copper, pour order 1): 0.3,0.3 0.3,4.5 6.9,4.5 10.8,8.4 10.8,9.8 12.483,9.8 12.483,7.289 16.311,7.289 22.6,1 37,1 37,3.8 39.2,3.8 39.2,0.3
GND on L1 "L1-GND" (solid, remove dead copper, pour order 48): 39.5,6.826 42.5,6.826 42.5,3.8 44.3,3.8 44.285,3.785 44.285,1.4 39.5,1.4
+5V on L1 "L1-+5V" (solid, remove dead copper, pour order 46): 37,1.6 39.2,1.6 39.2,6.35 36.75,8.8 32.8,8.8 32.8,8.041 36.059,8.041 37,7.1
+3V3 on L1 "L1-+3V3" (solid, remove dead copper, pour order 42): 34.5,1.5 36.6,1.5 36.6,3.864 36.3,4.164 36.3,5.1 32.6,5.1 32.6,3.8 34.5,3.8
+5V/3V3 on L1 "L1-+5V/3V3" (solid, remove dead copper, pour order 40): 29.6,1.6 31.3,1.6 31.3,4.1 32.5,5.3 32.5,8.546 31.6,8.546 31.6,5.8 30.9,5.1 26.6,5.1 26.6,3.879 29.6,3.879
+5V/3V3 on L1 "L1-+5V/3V3 1" (solid, remove dead copper, pour order 34): 0.3,43.9 0.3,40.1 3.686,40.1 3.7,40.114 3.7,42.4 9.2,42.4 11.6,40 12.6,40 12.6,43.4 12.5,43.5 6.3,43.5 6,43.2 3.3,43.2 3.3,43.9
+3V3 on L1 "L1-+3V3 1" (solid, remove dead copper, pour order 30): 15.7,7.7 17.9,7.7 17.9,9.029 19.171,10.3 21.336,10.3 21.336,11.461 21.35,11.475 19.525,11.475 18.9,12.1 18.9,12.573 17,12.573 17,10.4 16.7,10.1 15.7,10.1
+5V on L1 "L1-+5V 1" (solid, remove dead copper, pour order 32): 10.9,8 10.8,8.1 10.8,12.9 15,12.9 15.1,12.8 15.1,10.4 13.2,10.4 12.3,9.5 12.3,8
+5V_USB on L1 "L1-+5V_USB" (solid, remove dead copper, pour order 28): 0.2,10.1 4.8,10.1 6.175,11.3 8.3,11.3 8.3,12.5 9.1,12.5 9.1,8.1 0.2,8.1
+5V on L1 "L1-+5V 2" (solid, remove dead copper, pour order 26): 0.3,6.65 3.713,6.65 3.713,3.587 3.8,3.5 8.025,3.5 8.025,0.3 0.3,0.3

## Other copper
L2:
  pour cut-out: 11.4,21.7 11.5,21.6 22.075,21.6 22.075,19.875 22,19.8 11.3,19.8 11.3,21.65 11.35,21.7
  pour cut-out: 16.075,20.175 17.9,20.175 17.9,19 16.1,19 16.1,20.15
  pour cut-out: 11.35,21.7 11.3,21.65 11.3,19.45 16.65,19.45 16.7,19.4 16.7,21.7

## Silkscreen, mask and mechanical layers (free items; w line width, h text height)
Top Overlay:
  drawing of 15 lines, arcs and shapes, not listed
Board Outline (Mech28):
  the board outline again, w0.3

## Text inside footprints (layer, text, board x,y; h text height)
J1: Top Overlay "1" at 28.448,0.254 h1 r90
J2: Top Overlay "1" at 51.308,0.254 h1 r90
J3: Top Overlay "1" at 62.992,53.086 h1 r270
J4: Top Overlay "1" at 41.148,53.086 h1 r270
J5: Top Overlay "1" at 0.475,46.675 h1
J6: Top Overlay "1" at 2.54,36.449 h1 r90
JP1: Top Overlay "1" at 67.85,46.425 h1
JP2: Top Overlay "1" at 5.08,36.359 h1 r270
JP3: Top Overlay "1" at 12.314,44.092 h1
JP4: Top Overlay "1" at 12.128,6.514 h1 r90